# KiCad board hologram v3.kicad_pcb (continued)
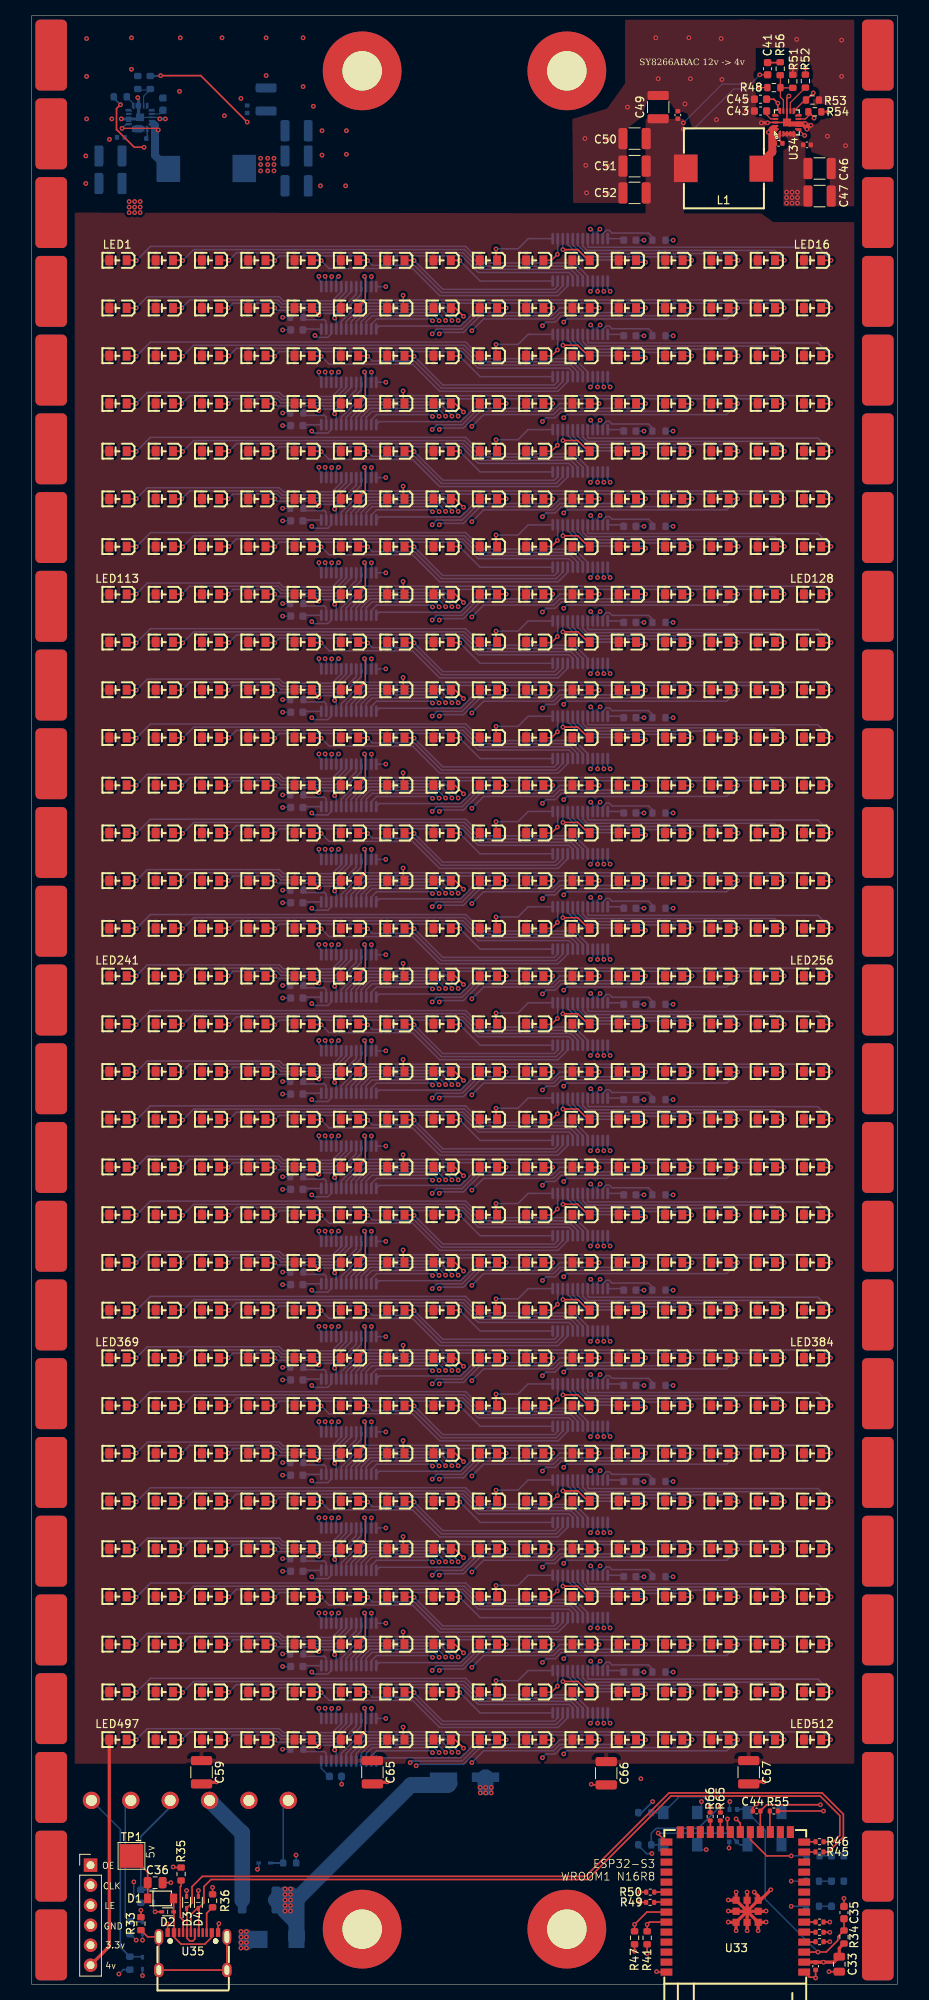
[diagram p0: board, top side]
## Nets (continued)
Net-(U22-R-EXT): R22.2 U22.23
Net-(U22-VDD): C22.2 U22.24
Net-(U23-R-EXT): R23.2 U23.23
Net-(U23-VDD): C23.2 U23.24
Net-(U24-R-EXT): R24.2 U24.23
Net-(U24-VDD): C24.2 U24.24
Net-(U25-R-EXT): R25.2 U25.23
Net-(U25-VDD): C25.2 U25.24
Net-(U26-R-EXT): R26.2 U26.23
Net-(U26-VDD): C26.2 U26.24
Net-(U27-R-EXT): R27.2 U27.23
Net-(U27-VDD): C27.2 U27.24
Net-(U28-R-EXT): R28.2 U28.23
Net-(U28-VDD): C28.2 U28.24
Net-(U29-R-EXT): R29.2 U29.23
Net-(U29-VDD): C29.2 U29.24
Net-(U30-R-EXT): R30.2 U30.23
Net-(U30-VDD): C30.2 U30.24
Net-(U31-R-EXT): R31.2 U31.23
Net-(U31-VDD): C31.2 U31.24
Net-(U32-R-EXT): R32.2 U32.23
Net-(U32-VDD): C32.2 U32.24
Net-(U33-IO4): R42.1 U33.4
Net-(U33-IO5): R43.1 U33.5
Net-(U33-IO6): R44.1 U33.6
Net-(U33-IO9): R55.1 U33.17
Net-(U33-IO11): R57.1 U33.19
Net-(U33-IO12): R59.1 U33.20
Net-(U33-IO13): R60.1 U33.21
Net-(U33-IO14): R65.2 U33.22
Net-(U33-IO19): R45.1 U33.13
Net-(U33-IO20): R46.1 U33.14
Net-(U33-IO21): R66.1 U33.23
Net-(U33-IO39): R50.2 U33.32
Net-(U33-IO40): R49.2 U33.33
Net-(U34-BS): C40.1 U34.1
Net-(U34-FB): R48.2 R51.1 R56.2 U34.14
Net-(U34-MODE): R52.2 U34.12
Net-(U34-VCC): C43.1 U34.17
Net-(U35-CC1_A5): R35.1 U35.4
Net-(U35-CC2_B5): R36.1 U35.10
Net-(U36-BS): C56.1 U36.1
Net-(U36-EN): R58.2 U36.11
Net-(U36-FB): R61.2 R62.1 U36.14
Net-(U36-VCC): C57.1 U36.17

Pads without a net: H1 1; H2 1; H3 1; H4 1; REF** 1; REF**#2 1; REF**#3 1; REF**#4 1; U32 22; U33 7 8 9 10 11 12 15 16 24 25 26 28 29 30 31 36 37 38 39; U34 10 16; U35 3 9; U36 9 10 15 16

## Via types
v1: diameter 0.6, hole 0.3, Top to Bottom, 1153 vias

## Routing (per net, layer and track width the routed paths; a pad name or vN(x,y) marks a point on that pad's centre or on a via; arc(x,y) is an arc through that point)
+12V: length 383.2
  Top w0.2: v1(14.3,233.3) 13.05,233.3 10.8,235.55 10.8,238.2 v1(11.3,238.7)
  Top w0.4: 95.63,235 U34.3 96.84,235 U34.5
  In1.Cu w2: v1(32.9,12.1) v1(32.9,10.7) v1(32.2,10) ; v1(96.6,226.9) 95.4,225.7 10.5,225.7 7.3,222.5 7.3,31.9 11,28.2 28.1,28.2 30.2,26.1 35.2,26.1 36.8,24.5 36.8,15.3 v1(32.2,10.7)
  Bottom w0.2: R58.1 10.45,239.55 v1(11.3,238.7)
  Bottom w1: U36.4 U36.3
  Bottom w2: F1.1 31.5,10.7 ; 31.5,10.7 v1(32.2,10) ; 31.5,10.7 v1(32.2,11.4) v1(32.9,10.7) 33.6,10.7 48.2,25.3 52.9,25.3 53.1,25.5 ; v1(32.9,11.4) 33.66,10.64 D9.2 33.66,7.84 v1(32.2,9.3)
  vias: v1(12.4,226.4) v1(12.4,225.7) v1(12.4,225) v1(13.1,226.4) v1(13.1,225.7) v1(13.1,225) v1(13.8,226.4) v1(13.8,225.7) v1(13.8,225) v1(32.2,12.1) v1(32.9,10) v1(32.9,9.3) v1(95.9,227.6) v1(95.9,226.9) v1(95.9,226.2) v1(96.6,227.6) v1(96.6,226.2) v1(97.3,227.6) v1(97.3,226.9) v1(97.3,226.2)
GND: length 169.9
  Top w0.2: v1(79.4,1.6) 79.45,1.55 U33.40 ; v1(23.8,7.7) 23.7,7.6 U35.12 ; R47.1 v1(76.6,4.2) ; v1(15.7,9.2) D2.1 ; D4.1 v1(21.2,11.9) ; C36.2 v1(17.7,12.9) 17.8,12.9 ; v1(17.2,7.7) 17.2,7.6 17.3,7.5 U35.1 ; 92,237.9 C43.2 ; C44.2 91.62,22.42 v1(92.1,22.9) ; R36.2 v1(23,12.3) ; R51.2 v1(96.7,243.4) ; v1(96.2,239.8) 95.95,239.55 U34.13 U34.21 U34.18 93.55,236.45 v1(93.5,236.4) ; U33.1 98.8,0.9 99.5,0.9 v1(99.6,0.8) C34.2 ; 73,25.32 71.17,25.32 v1(71.1,25.4) ; C33.2 v1(101.3,1.6) ; v1(18,14.9) 18.07,14.82 R35.2 ; R33.2 v1(13.9,9.4) ; C35.2 v1(103.2,10.9) ; D3.1 v1(19.7,11.9)
  Top w0.4: U33.41 89.5,10.7 ; U33.41 88.53,10.67 v1(88.5,10.7) ; U33.41 U33.41 ; U33.41 v1(89.5,11.7) ; v1(88.5,9.3) 88.53,9.27 U33.41 U33.41 ; v1(93.3,9.3) 93.27,9.27 U33.41 U33.41 ; U33.41 v1(89.5,6.8) ; U33.41 88.53,7.87 v1(88.5,7.9) ; U33.41 U33.41 ; U33.41 93.27,7.87 v1(93.3,7.9) ; U33.41 U33.41 ; U33.41 v1(92.3,6.8) ; v1(23.5,25.7) 23.45,25.65 21.6,25.65 ; v1(98.5,235.6) 97.96,236.14 97.4,236.14 ; v1(98.5,235.6) v1(99,236.1) 98.5,236.1 v1(98.3,236.3) ; v1(98.5,235.6) 98.3,235.8 v1(98.3,236.3) ; U33.41 U33.41 v1(90.9,11.7) ; U33.41 U33.41 v1(90.9,6.8) ; U33.41 U33.41 ; v1(98.3,236.3) 98,236.3 97.84,236.14 96.26,236.14 U34.21 96.03,236.37 98.15,236.37 98.22,236.3 v1(98.3,236.3) ; 91.1,25.72 92.97,25.72 v1(93,25.7) ; 43.3,25.65 45.15,25.65 v1(45.2,25.7) ; v1(93.9,12) 92.57,10.67 U33.41 ; v1(91.8,11.7) 92.3,11.2 U33.41 ; v1(92.7,236.4) v1(93.5,236.4)
  Bottom w0.15: v1(11.4,236.9) 11.6,237.1 ; U36.21 U36.18 16.1,237.1 v1(16.3,236.9)
  Bottom w0.2: R26.1 v1(31.9,66.25) ; v1(36.5,156.25) 36.5,155.85 36.81,155.54 U12.1 ; U30.1 36.81,46.44 36.5,46.75 v1(36.5,47.15) ; D8.1 28.85,14.75 v1(28.7,14.6) ; R10.1 v1(31.9,163.15) ; v1(73.5,202.85) 73.5,202.9 73.19,203.21 U3.1 ; U20.1 36.81,107.04 36.5,107.35 v1(36.5,107.75) ; R25.1 v1(81.5,76.05) ; U21.1 73.19,94.11 73.5,93.8 v1(73.5,93.75) ; U19.1 73.19,106.21 73.5,105.9 v1(73.5,105.85) ; v1(88.7,23.2) 88.66,23.16 C38.2 ; v1(73.5,117.95) 73.5,118 73.19,118.31 U17.1 ; v1(73.5,130.15) 73.5,130.2 73.19,130.51 U15.1 ; U11.1 73.19,154.71 73.5,154.4 v1(73.5,154.35) ; U22.1 36.81,94.94 36.5,95.25 v1(36.5,95.65) ; R1.1 v1(81.5,221.5) ; U6.1 36.81,191.94 36.5,192.25 v1(36.5,192.65) ; U10.1 36.81,167.64 36.5,167.95 v1(36.5,168.35) ; U31.1 73.19,33.51 73.5,33.2 v1(73.5,33.15) ; v1(36.5,216.9) 36.5,216.5 36.81,216.19 U2.1 ; U16.1 36.81,131.34 36.5,131.65 v1(36.5,132.05) ; v1(73.5,142.25) 73.5,142.3 73.19,142.61 U13.1 ; R9.1 v1(81.5,172.95) ; U32.1 36.81,34.34 36.5,34.65 v1(36.5,35.05) ; D7.1 15.5,9.4 v1(15.7,9.2) ; v1(73.5,166.45) 73.5,166.5 73.19,166.81 U9.1 ; R23.1 v1(81.5,88.15) ; R12.1 v1(31.9,151.05) ; U4.1 36.81,204.04 36.5,204.35 v1(36.5,204.75) ; R29.1 v1(81.5,51.75) ; U26.1 36.81,70.74 36.5,71.05 v1(36.5,71.45) ; R32.1 v1(31.9,29.85) ; U7.1 73.19,179.01 73.5,178.7 v1(73.5,178.65) ; v1(73.5,190.75) 73.5,190.8 73.19,191.11 U5.1 ; R15.1 v1(81.5,136.65) ; D12.1 103.19,10.89 v1(103.2,10.9) ; R16.1 v1(31.9,126.85) ; v1(88.6,17.3) 88.62,17.32 C39.2 ; v1(73.5,215) 73.5,215.05 73.19,215.36 U1.1 ; R8.1 v1(31.9,175.35) ; v1(36.5,144.15) 36.5,143.75 36.81,143.44 U14.1 ; R3.1 v1(81.5,209.35) ; v1(85.1,23.2) 85.1,22.34 SW3.2 ; R4.1 v1(31.9,199.55) ; v1(36.5,119.85) 36.5,119.45 36.81,119.14 U18.1 ; 33.5,15.4 R40.1 33.62,16.38 v1(33.6,16.4) ; U27.1 73.19,57.71 73.5,57.4 v1(73.5,57.35) ; R5.1 v1(81.5,197.25) ; v1(73.5,81.65) 73.5,81.7 73.19,82.01 U23.1 ; R20.1 v1(31.9,102.55) ; R17.1 v1(81.5,124.45) ; R22.1 v1(31.9,90.45) ; R31.1 v1(81.5,39.65) ; R28.1 v1(31.9,54.05) ; R27.1 v1(81.5,63.85) ; v1(73.5,69.55) 73.5,69.6 73.19,69.91 U25.1 ; SW4.2 85.2,17.06 85.66,17.06 v1(85.7,17.1) ; R21.1 v1(81.5,100.25) ; R14.1 v1(31.9,138.95) ; U24.1 36.81,82.84 36.5,83.15 v1(36.5,83.55) ; v1(36.5,180.55) 36.5,180.15 36.81,179.84 U8.1 ; R13.1 v1(81.5,148.75) ; R24.1 v1(31.9,78.35) ; U29.1 73.19,45.61 73.5,45.3 v1(73.5,45.25) ; R30.1 v1(31.9,41.95) ; R2.1 v1(31.9,211.7) ; R6.1 v1(31.9,187.45) ; v1(36.5,59.25) 36.5,58.85 36.81,58.54 U28.1 ; R19.1 v1(81.5,112.35) ; R7.1 v1(81.5,185.15) ; R11.1 v1(81.5,160.85) ; R18.1 v1(31.9,114.65) ; D5.1 v1(14.1,1.1) ; D6.1 v1(14.1,5.6)
  Bottom w0.4: v1(13.5,239.6) 13.6,239.5 13.6,237.3 U36.21 13.6,236.9 v1(11.4,236.9) ; v1(17,236.9) v1(16.3,236.9)
  Bottom w2: C48.2 57.67,25.03 v1(57.7,25) ; v1(27.3,6) 27.6,5.7 D9.1 27.7,5.7 v1(27.3,5.3)
  vias: v1(6.9,232.2) v1(6.9,228.7) v1(7,247.1) v1(7,242.3) v1(7,236.9) v1(9.9,234.3) v1(10.2,236.9) v1(12.7,247.2) v1(12.7,243.2) v1(18.8,240.4) v1(18.9,247.2) v1(24.2,247.2) v1(24.5,237.3) v1(26.6,239.5) v1(26.6,6.7) v1(26.6,6) v1(26.6,5.3) v1(26.6,4.6) v1(27.3,6.7) v1(27.3,4.6) v1(29.8,247.2) v1(29.8,242.4) v1(34.5,247.2) v1(34.5,241) v1(35.8,238.5) v1(36.7,228.4) v1(36.9,235.4) v1(36.9,232.3) v1(39.9,228.4) v1(40,235.4) v1(40,232.4) v1(57,25) v1(57,24.3) v1(57.7,24.3) v1(58.4,25) v1(58.4,24.3) v1(70.3,234.4) v1(70.4,231) v1(70.5,227.5) v1(73.2,234.3) v1(73.2,230.9) v1(73.2,227.4) v1(75.7,238.4) v1(79.3,247.2) v1(79.6,242) v1(83,238.8) v1(83.5,247.2) v1(83.7,242) v1(87,236.8) v1(87.6,247.1) v1(87.7,241.9) v1(90.8,239.4) v1(90.8,237.9) v1(97.2,247) v1(101.1,234.7) v1(101.22,239.3) v1(102.9,246.9) v1(102.9,242.3) v1(102.9,227.1) v1(103.1,230.6) v1(103.4,233.5)
VCC: length 55.7
  Top w0.15: R48.1 92.62,240.88 92.6,240.9 v1(92.5,240.9) ; C41.1 v1(92.5,242.5)
  Top w0.4: J1.6 9.88,4.8 LED497.2
  Bottom w0.15: v1(92.5,242.5) 91.32,241.32 87.72,241.32 v1(82.8,236.4) ; v1(92.5,240.9) 92.3,240.7 89.2,240.7 84.1,235.6 v1(82.8,235.6)
VDD: length 70.3
  Top w0.15: R54.1 v1(101.2,237.8) ; R52.1 v1(98.3,243.4)
  Top w0.2: U34.15 94.8,238.16 v1(94.8,238.9) 94.3,239.4 C45.1 ; v1(27.4,236.5) 21.5,242.4 v1(16.4,242.4) ; R41.1 v1(78.2,3.9)
  Top w0.4: U33.2 99.56,2.82 C34.1 99.62,2.8 v1(100.6,2.8) 101.9,2.8 C33.1 102.6,4.57 R34.1
  Bottom w0.2: v1(11.1,1.3) 11.65,1.85 R39.2 ; v1(78.8,16.6) 78.1,16.6 77.08,17.62 R64.1 ; v1(77.8,88.15) C23.1 ; C22.1 v1(31.9,88.85) ; v1(77.8,197.25) C5.1 ; R38.2 12.55,6.35 v1(13.3,5.6) ; v1(77.8,160.85) C11.1 ; C14.1 v1(31.9,137.35) ; v1(77.8,185.15) C7.1 ; v1(77.8,124.45) C17.1 ; v1(77.8,39.65) C31.1 ; C30.1 v1(31.9,40.35) ; C26.1 v1(31.9,64.65) ; v1(77.8,136.65) C15.1 ; v1(77.8,100.25) C21.1 ; C18.1 v1(31.9,113.05) ; C6.1 v1(31.9,185.85) ; C16.1 v1(31.9,125.25) ; C28.1 v1(31.9,52.45) ; v1(77.8,51.75) C29.1 ; v1(77.8,76.05) C25.1 ; C12.1 v1(31.9,149.45) ; C24.1 v1(31.9,76.75) ; C2.1 v1(31.9,210.1) ; v1(77.8,221.5) C1.1 ; v1(77.8,209.35) C3.1 ; v1(77.8,63.85) C27.1 ; v1(78.9,23.2) 77.5,21.8 R63.2 ; v1(16.4,242.4) 16.35,242.35 R61.1 ; C32.1 39.38,25.43 v1(39.4,25.4) ; v1(77.8,112.35) C19.1 ; v1(77.8,172.95) C9.1 ; R37.2 13,11.25 v1(13,13) ; C4.1 v1(31.9,197.95) ; C20.1 v1(31.9,100.95) ; C8.1 v1(31.9,173.75) ; v1(77.8,148.75) C13.1 ; C10.1 v1(31.9,161.55)
  vias: v1(29.1,231.9) v1(29.1,231.1) v1(29.1,230.3) v1(30,231.9) v1(30,231.1) v1(30,230.3) v1(30.8,231.9) v1(30.8,231.1) v1(30.8,230.3)
buck4v_EN: length 233.2
  Top w0.15: U34.11 98.24,239.3 R53.1
  Top w0.2: v1(99.3,240.2) 99.28,240.2 R53.1 ; R55.2 v1(100.6,22)
  In1.Cu w0.2: v1(99.3,240.2) 99.7,240.6 102.4,240.6 104.1,238.9 104.1,25.5 v1(100.6,22)
buck4v_PG: length 231.4
  Top w0.15: 98.78,237.8 98.78,237.38 98.29,236.89 97.4,236.89
  Top w0.2: R54.2 99.4,237.07 v1(99.4,237) ; 92.6,19.35 U33.18 C44.1 93.38,22.8 v1(100.2,22.8)
  In1.Cu w0.2: v1(100.2,22.8) 103.7,26.3 103.7,232.1 102.3,233.5 102.3,234.5 99.8,237 v1(99.4,237)
CLK: length 566.4
  Top w0.2: R49.1 v1(77.3,10.4)
  In1.Cu w0.2: v1(71.9,33.15) 71.9,33.1 72.15,32.85 ; 72.15,32.85 76.7,28.3 76.7,11 v1(77.3,10.4) ; 72.15,32.85 70.43,34.58 70.43,43.78 v1(71.9,45.25) 70.43,46.73 70.43,55.88 v1(71.9,57.35) 70.1,59.15 70.1,67.75 v1(71.9,69.55) 70.43,71.03 70.43,80.18 v1(71.9,81.65) 70.43,83.13 70.43,92.28 v1(71.9,93.75) 70,95.65 70,103.95 v1(71.9,105.85) 70.2,107.55 70.2,116.25 v1(71.9,117.95) 70.2,119.65 70.2,128.45 v1(71.9,130.15) 71.9,130.9 70.2,132.6 70.2,140.55 v1(71.9,142.25) 70.1,144.05 70.1,152.55 v1(71.9,154.35) 70.2,156.05 70.2,164.75 v1(71.9,166.45) 70.3,168.05 70.3,177.05 v1(71.9,178.65) 70.2,180.35 70.2,189.05 v1(71.9,190.75) 70.3,192.35 70.3,201.25 v1(71.9,202.85) 70.2,204.55 70.2,213.3 v1(71.9,215) 67.8,219.1 55.05,219.1 54.65,219.5 40.75,219.5 v1(38.12,216.88) 39.6,215.4 39.6,206.2 v1(38.12,204.73) 39.4,203.45 39.4,193.9 v1(38.12,192.63) 39.6,191.15 39.6,182 v1(38.12,180.53) 39.5,179.15 39.5,169.7 v1(38.12,168.33) 39.5,166.95 39.5,157.6 v1(38.12,156.23) 39.4,154.95 39.4,145.4 v1(38.12,144.13) 39.5,142.75 39.5,133.4 v1(38.12,132.03) 39.5,130.65 39.5,121.2 v1(38.12,119.83) 39.5,118.45 39.5,109.1 v1(38.12,107.73) 39.5,106.35 39.5,97 v1(38.12,95.63) 39.5,94.25 39.5,84.9 v1(38.12,83.53) 39.5,82.15 39.5,72.8 v1(38.12,71.43) 39.5,70.05 39.5,60.6 v1(38.12,59.23) 39.5,57.85 39.5,48.5 v1(38.12,47.13) 39.5,45.75 39.5,36.4 v1(38.12,35.03) 40.9,32.25 40.9,13.97 34.63,7.7 30.3,7.7 27.1,10.9 9.18,10.9 J1.2
  Bottom w0.2: U10.3 38.08,168.28 v1(38.12,168.33) ; v1(71.9,81.65) 71.92,81.67 U23.3 ; U26.3 38.08,71.38 v1(38.12,71.43) ; v1(38.12,47.13) 38.08,47.08 U30.3 ; v1(71.9,178.65) 71.92,178.67 U7.3 ; v1(38.12,132.03) 38.08,131.98 U16.3 ; v1(38.12,204.73) 38.08,204.68 U4.3 ; U6.3 38.08,192.58 v1(38.12,192.63) ; U25.3 71.92,69.57 v1(71.9,69.55) ; v1(71.9,117.95) 71.92,117.97 U17.3 ; U13.3 71.92,142.27 v1(71.9,142.25) ; U22.3 38.08,95.58 v1(38.12,95.63) ; U19.3 71.92,105.87 v1(71.9,105.85) ; v1(38.12,59.23) 38.08,59.18 U28.3 ; U2.3 38.08,216.83 v1(38.12,216.88) ; U9.3 71.92,166.47 v1(71.9,166.45) ; U18.3 38.08,119.78 v1(38.12,119.83) ; v1(38.12,180.53) 38.08,180.48 U8.3 ; U31.3 71.92,33.17 v1(71.9,33.15) ; U1.3 71.92,215.02 v1(71.9,215) ; U12.3 38.08,156.18 v1(38.12,156.23) ; v1(38.12,35.03) 38.08,34.98 U32.3 ; v1(38.12,107.73) 38.08,107.68 U20.3 ; v1(71.9,45.25) 71.92,45.27 U29.3 ; U15.3 71.92,130.17 v1(71.9,130.15) ; U3.3 71.92,202.87 v1(71.9,202.85) ; U24.3 38.08,83.48 v1(38.12,83.53) ; v1(38.12,144.13) 38.08,144.08 U14.3 ; v1(71.9,190.75) 71.92,190.77 U5.3 ; v1(71.9,93.75) 71.92,93.77 U21.3 ; v1(71.9,154.35) 71.92,154.37 U11.3 ; U27.3 71.92,57.37 v1(71.9,57.35)
ENC_A: length 126.4
  Top w0.2: R42.2 v1(101.4,5.4)
  In4.Cu w0.2: v1(101.4,5.4) 99.65,5.4 95.75,9.3 88.6,16.45 85.45,19.6 80.85,19.6 79.85,18.6 79.35,18.6 78.35,19.6 15.02,19.6 15.02,19.6 11.37,19.6 J2.6
  Bottom w0.2: D5.2 14.03,3.5 R39.1 11.3,4.7 11.3,19.66 J2.6 ; 7.67,22.56 7.65,22.53
ENC_B: length 114
  Top w0.2: R43.2 v1(101.4,6.6)
  In4.Cu w0.2: J2.5 15.97,20 88,20 v1(101.4,6.6)
  Bottom w0.2: J2.5 11.9,22.63 11.9,8.6 R38.1 12.57,7.93 D6.2
ENC_Z: length 104.7
  Top w0.2: R44.2 v1(101.4,7.9)
  In4.Cu w0.2: v1(101.4,7.9) 100.8,7.9 88.3,20.4 20.57,20.4 J2.4
  Bottom w0.2: D7.2 15.43,12 R37.1 13.9,18.78 17.65,22.53
LE: length 570.5
  Top w0.2: R47.2 v1(76.6,7.6) 78.17,9.17 U33.34
  In1.Cu w0.2: J1.3 7.86,10.4 27,10.4 30.1,7.3 34.8,7.3 41.3,13.8 41.3,32.75 v1(39,35.05) 40.3,36.35 40.3,45.85 v1(39,47.15) 40.3,48.45 40.3,57.95 v1(39,59.25) 40.3,60.55 40.3,70.15 v1(39,71.45) 40.3,72.75 40.3,82.25 v1(39,83.55) 40.3,84.85 40.3,94.35 v1(39,95.65) 40.3,96.95 40.3,106.45 v1(39,107.75) 40.3,109.05 40.3,118.55 v1(39,119.85) 40.3,121.15 40.3,130.75 v1(39,132.05) 40.3,133.35 40.3,142.85 v1(39,144.15) 40.3,145.45 40.3,154.95 v1(39,156.25) 40.3,157.55 40.3,167.05 v1(39,168.35) 40.3,169.65 40.3,179.25 v1(39,180.55) 40.3,181.85 40.3,191.35 v1(39,192.65) 40.1,193.75 40.1,203.65 v1(39,204.75) 40.6,206.35 40.6,215.3 v1(39,216.9) 39.6,217.5 68.5,217.5 v1(71,215) 69.6,213.6 69.6,204.25 v1(71,202.85) 69.6,201.45 69.6,192.15 v1(71,190.75) 69.6,189.35 69.6,180.05 v1(71,178.65) 69.6,177.25 69.6,167.85 v1(71,166.45) 69.6,165.05 69.6,155.75 v1(71,154.35) 69.5,152.85 69.5,143.75 v1(71,142.25) 69.5,140.75 69.5,131.65 v1(71,130.15) 69.5,128.65 69.5,119.45 v1(71,117.95) 69.5,116.45 69.5,107.35 v1(71,105.85) 69.4,104.25 69.4,95.35 v1(71,93.75) 69.5,92.25 69.5,83.15 v1(71,81.65) 69.7,80.35 69.7,70.85 v1(71,69.55) 69.5,68.05 69.5,58.85 v1(71,57.35) 69.5,55.85 69.5,46.75 v1(71,45.25) 71,45.2 69.7,43.9 69.7,34.5 71,33.2 v1(71,33.15) 75.9,28.25 75.9,8.3 v1(76.6,7.6)
  Bottom w0.2: U19.4 71.29,106.14 v1(71,105.85) ; v1(71,190.75) 71.29,191.04 U5.4 ; U18.4 38.71,119.56 v1(39,119.85) ; U32.4 38.71,34.76 v1(39,35.05) ; U9.4 71.29,166.74 v1(71,166.45) ; U13.4 71.29,142.54 v1(71,142.25) ; U7.4 71.29,178.94 v1(71,178.65) ; v1(39,168.35) 38.71,168.06 U10.4 ; U23.4 71.29,81.94 v1(71,81.65) ; U14.4 38.71,143.86 v1(39,144.15) ; U25.4 71.29,69.84 v1(71,69.55) ; v1(71,130.15) 71.29,130.44 U15.4 ; U30.4 38.71,46.86 v1(39,47.15) ; U12.4 38.71,155.96 v1(39,156.25) ; v1(71,215) 71.29,215.29 U1.4 ; v1(39,83.55) 38.71,83.26 U24.4 ; U8.4 38.71,180.26 v1(39,180.55) ; U31.4 71.29,33.44 v1(71,33.15) ; U3.4 71.29,203.14 v1(71,202.85) ; v1(71,45.25) 71.29,45.54 U29.4 ; v1(39,59.25) 38.71,58.96 U28.4 ; U6.4 38.71,192.36 v1(39,192.65) ; U21.4 71.29,94.04 v1(71,93.75) ; U11.4 71.29,154.64 v1(71,154.35) ; U26.4 38.71,71.16 v1(39,71.45) ; v1(39,216.9) 38.71,216.61 U2.4 ; v1(39,95.65) 38.71,95.36 U22.4 ; v1(71,57.35) 71.29,57.64 U27.4 ; U20.4 38.71,107.46 v1(39,107.75) ; U17.4 71.29,118.24 v1(71,117.95) ; v1(39,132.05) 38.71,131.76 U16.4 ; U4.4 38.71,204.46 v1(39,204.75)
MOSI: length 210.4
  Top w0.2: R50.1 v1(77.3,11.7)
  In1.Cu w0.2: v1(77.4,26.1) 77.3,26 v1(77.3,11.7)
  In4.Cu w0.2: v1(77.4,26.1) 80.1,28.8 80.1,208.7 74.4,214.4 73.25,214.4 72.65,215 v1(72.7,215)
  Bottom w0.2: v1(72.7,215) 72.56,215.14 U1.2
NOT_OE: length 620
  Top w0.2: U33.35 78.5,7.9 v1(78.2,7.6) R41.2
  In1.Cu w0.2: v1(78.2,7.6) 78.2,29.3 71.03,36.48 v1(71.03,41.03) 74.1,44.11 74.1,50.06 v1(71.03,53.13) 74.1,56.21 74.1,62.16 v1(71.03,65.23) 74.1,68.31 74.1,74.36 v1(71.03,77.43) 74.1,80.51 74.1,86.46 v1(71.03,89.53) 74.1,92.61 74.1,98.56 v1(71.03,101.63) 74.1,104.71 74.1,110.66 v1(71.03,113.73) 74.1,116.81 74.1,122.76 v1(71.03,125.83) 74.1,128.91 74.1,134.96 v1(71.03,138.03) 74.1,141.11 74.1,147.06 v1(71.03,150.13) 75.2,154.3 75.2,158.06 v1(71.03,162.23) 74.1,165.31 74.1,171.26 v1(71.03,174.33) 74.1,177.41 74.1,183.46 v1(71.03,186.53) 74.1,189.61 74.1,195.56 v1(71.03,198.63) 74.1,201.71 74.1,207.66 v1(71.03,210.73) 74.1,213.81 74.1,219.79 v1(71,222.9) 41.65,222.9 35.9,217.15 35.9,214.2 v1(38.5,211.6) 38.5,211.05 35.9,208.45 35.9,202.05 v1(38.5,199.45) 38.5,199.3 35.9,196.7 35.9,189.95 v1(38.5,187.35) 38.5,187.2 35.9,184.6 35.9,177.85 v1(38.5,175.25) 38.5,175.1 35.9,172.5 35.9,165.65 v1(38.5,163.05) 38.5,162.9 35.9,160.3 35.9,153.55 v1(38.5,150.95) 38.5,150.8 34.9,147.2 34.9,142.45 v1(38.5,138.85) 38.5,138.7 35.85,136.05 35.85,129.4 v1(38.5,126.75) 38.5,126.6 35.85,123.95 35.85,117.2 v1(38.5,114.55) 38.5,114.4 35.2,111.1 35.2,105.75 v1(38.5,102.45) 38.5,102.3 35.9,99.7 35.9,92.95 v1(38.5,90.35) 38.5,90.2 35.9,87.6 35.9,80.85 v1(38.5,78.25) 38.5,78.1 35.9,75.5 35.9,68.75 v1(38.5,66.15) 38.5,66 35.9,63.4 35.9,56.55 v1(38.5,53.95) 38.5,53.8 35.9,51.2 35.9,44.45 v1(38.5,41.85) 38.5,41.7 35.9,39.1 35.9,32.35 v1(38.5,29.75) 40.5,27.75 40.5,14.13 34.47,8.1 30.47,8.1 27.27,11.3 11.32,11.3 J1.1
  Bottom w0.2: U20.21 38.71,102.24 v1(38.5,102.45) ; U7.21 71.29,186.27 v1(71.03,186.53) ; v1(71.03,198.63) 71.29,198.37 U5.21 ; U21.21 71.29,101.37 v1(71.03,101.63) ; U14.21 38.71,138.64 v1(38.5,138.85) ; v1(38.5,187.35) 38.71,187.14 U6.21 ; v1(38.5,199.45) 38.71,199.24 U4.21 ; U32.21 38.71,29.54 v1(38.5,29.75) ; v1(71.03,77.43) 71.29,77.17 U25.21 ; U10.21 38.71,162.84 v1(38.5,163.05) ; v1(38.5,211.6) 38.71,211.39 U2.21 ; U13.21 71.29,149.87 v1(71.03,150.13) ; U12.21 38.71,150.74 v1(38.5,150.95) ; v1(71.03,41.03) 71.29,40.77 U31.21 ; v1(38.5,78.25) 38.71,78.04 U24.21 ; v1(38.5,175.25) 38.71,175.04 U8.21 ; v1(71.03,210.73) 71.29,210.47 U3.21 ; U11.21 71.29,161.97 v1(71.03,162.23) ; U19.21 71.29,113.47 v1(71.03,113.73) ; v1(71,222.9) 71.2,222.9 71.29,222.81 U1.21 ; U28.21 38.71,53.74 v1(38.5,53.95) ; v1(71.03,174.33) 71.29,174.07 U9.21 ; v1(38.5,90.35) 38.71,90.14 U22.21 ; U17.21 71.29,125.57 v1(71.03,125.83) ; U29.21 71.29,52.87 v1(71.03,53.13) ; v1(38.5,66.15) 38.71,65.94 U26.21 ; U18.21 38.71,114.34 v1(38.5,114.55) ; v1(38.5,126.75) 38.71,126.54 U16.21 ; v1(71.03,65.23) 71.29,64.97 U27.21 ; v1(71.03,89.53) 71.29,89.27 U23.21 ; U30.21 38.71,41.64 v1(38.5,41.85) ; v1(71.03,138.03) 71.29,137.77 U15.21
SDO-01: length 40.1
  In4.Cu w0.2: v1(37.3,216.9) 37.9,217.5 66.8,217.5 v1(72.2,222.9)
  Bottom w0.2: U2.2 37.44,216.76 v1(37.3,216.9) ; U1.22 71.9,221.71 71.9,222.6 v1(72.2,222.9)
SDO-02: length 50.6
  In4.Cu w0.2: v1(36,209.4) 36.4,209 68.44,209 70.78,211.33 72.48,211.33 72.83,210.98 72.83,202.98 v1(72.7,202.85)
  Bottom w0.2: v1(36,209.4) 36.24,209.16 37.64,209.16 38.08,209.6 U2.22 ; U3.2 72.56,202.99 v1(72.7,202.85)
SDO-03: length 40.2
  In4.Cu w0.2: v1(72.23,210.73) 72.16,210.8 72.16,210.66 66.85,205.35 37.9,205.35 v1(37.3,204.75)
  Bottom w0.2: U4.2 37.44,204.61 v1(37.3,204.75) ; U3.22 71.9,209.56 71.9,210.4 v1(72.23,210.73)
SDO-04: length 52.6
  In4.Cu w0.2: v1(72.7,190.75) 72.9,190.95 72.9,198.81 72.48,199.23 69.53,199.23 65.85,195.55 37.3,195.55 v1(35.6,197.25)
  Bottom w0.2: U5.2 72.56,190.89 v1(72.7,190.75) ; U4.22 38.08,197.45 37.64,197.01 35.84,197.01 v1(35.6,197.25)
SDO-05: length 40.2
  In4.Cu w0.2: v1(37.3,192.65) 37.9,193.25 66.85,193.25 72.16,198.56 72.16,198.7 v1(72.23,198.63)
  Bottom w0.2: U6.2 37.44,192.51 v1(37.3,192.65) ; v1(72.23,198.63) 71.9,198.3 71.9,197.46 U5.22
SDO-06: length 51.4
  In4.Cu w0.2: v1(35.6,185.15) 36,184.75 68.4,184.75 70.78,187.13 72.48,187.13 72.83,186.78 72.83,178.78 v1(72.7,178.65)
  Bottom w0.2: U6.22 38.08,185.35 37.64,184.91 35.84,184.91 v1(35.6,185.15) ; U7.2 72.56,178.79 v1(72.7,178.65)
SDO-07: length 40.2
  In4.Cu w0.2: v1(37.3,180.55) 37.9,181.15 66.85,181.15 72.16,186.46 72.16,186.6 v1(72.23,186.53)
  Bottom w0.2: U7.22 71.9,185.36 71.9,186.2 v1(72.23,186.53) ; v1(37.3,180.55) 37.44,180.41 U8.2
SDO-08: length 51.4
  In4.Cu w0.2: v1(35.6,173.05) 36,172.65 68.5,172.65 70.78,174.93 72.48,174.93 72.83,174.58 72.83,166.58 v1(72.7,166.45)
  Bottom w0.2: U9.2 72.56,166.59 v1(72.7,166.45) ; U8.22 38.08,173.25 37.64,172.81 35.84,172.81 v1(35.6,173.05)
SDO-09: length 40.2
  In4.Cu w0.2: v1(37.3,168.35) 37.9,168.95 66.85,168.95 72.16,174.26 72.16,174.4 v1(72.23,174.33)
  Bottom w0.2: v1(72.23,174.33) 71.9,174 71.9,173.16 U9.22 ; U10.2 37.44,168.21 v1(37.3,168.35)
SDO-10: length 51.5
  In4.Cu w0.2: v1(35.6,160.85) 36.05,160.4 68.35,160.4 70.78,162.83 72.48,162.83 72.83,162.48 72.83,154.48 v1(72.7,154.35)
  Bottom w0.2: U10.22 38.08,161.05 37.64,160.61 35.84,160.61 v1(35.6,160.85) ; U11.2 72.56,154.49 v1(72.7,154.35)
SDO-11: length 40.2
  In4.Cu w0.2: v1(37.3,156.25) 37.9,156.85 66.85,156.85 72.16,162.16 72.16,162.3 v1(72.23,162.23)
  Bottom w0.2: v1(72.23,162.23) 71.9,161.9 71.9,161.06 U11.22 ; U12.2 37.44,156.11 v1(37.3,156.25)
SDO-12: length 52.5
  In4.Cu w0.2: v1(35.6,148.75) 37.3,147.05 66.05,147.05 69.73,150.73 72.48,150.73 72.83,150.38 72.83,142.38 v1(72.7,142.25)
  Bottom w0.2: U12.22 38.08,148.95 37.64,148.51 35.84,148.51 v1(35.6,148.75) ; v1(72.7,142.25) 72.56,142.39 U13.2
SDO-13: length 40.2
  In4.Cu w0.2: v1(72.23,150.13) 72.16,150.2 72.16,150.06 66.85,144.75 37.9,144.75 v1(37.3,144.15)
  Bottom w0.2: v1(37.3,144.15) 37.44,144.01 U14.2 ; v1(72.23,150.13) 71.9,149.8 71.9,148.96 U13.22
SDO-14: length 52.8
  In4.Cu w0.2: v1(72.7,130.15) 72.83,130.28 72.83,138.28 72.48,138.63 69.73,138.63 65.75,134.65 37.6,134.65 v1(35.6,136.65)
  Bottom w0.2: v1(72.7,130.15) 72.56,130.29 U15.2 ; v1(35.6,136.65) 35.84,136.41 37.64,136.41 38.08,136.85 U14.22
SDO-15: length 40.2
  In4.Cu w0.2: v1(37.3,132.05) 37.9,132.65 66.85,132.65 72.16,137.96 72.16,138.1 v1(72.23,138.03)
  Bottom w0.2: U15.22 71.9,136.86 71.9,137.7 v1(72.23,138.03) ; U16.2 37.44,131.91 v1(37.3,132.05)
SDO-16: length 52.8
  In4.Cu w0.2: v1(35.6,124.55) 37.65,122.5 65.8,122.5 69.73,126.43 72.48,126.43 72.83,126.08 72.83,118.08 v1(72.7,117.95)
  Bottom w0.2: U17.2 72.56,118.09 v1(72.7,117.95) ; U16.22 38.08,124.75 37.64,124.31 35.84,124.31 v1(35.6,124.55)
SDO-17: length 40.2
  In4.Cu w0.2: v1(72.23,125.83) 72.16,125.9 72.16,125.76 66.85,120.45 37.9,120.45 v1(37.3,119.85)
  Bottom w0.2: U17.22 71.9,124.66 71.9,125.5 v1(72.23,125.83) ; U18.2 37.44,119.71 v1(37.3,119.85)
SDO-18: length 52.8
  In4.Cu w0.2: v1(35.6,112.35) 37.6,110.35 65.75,110.35 69.73,114.33 72.48,114.33 72.83,113.98 72.83,105.98 v1(72.7,105.85)
  Bottom w0.2: U18.22 38.08,112.55 37.64,112.11 35.84,112.11 v1(35.6,112.35) ; U19.2 72.56,105.99 v1(72.7,105.85)
SDO-19: length 40.2
  In4.Cu w0.2: v1(37.3,107.75) 37.9,108.35 66.85,108.35 72.16,113.66 72.16,113.8 v1(72.23,113.73)
  Bottom w0.2: v1(72.23,113.73) 71.9,113.4 71.9,112.56 U19.22 ; U20.2 37.44,107.61 v1(37.3,107.75)
SDO-20: length 52.5
  In4.Cu w0.2: v1(72.7,93.75) 72.83,93.88 72.83,101.88 72.48,102.23 69.73,102.23 66.05,98.55 37.3,98.55 v1(35.6,100.25)
  Bottom w0.2: U21.2 72.56,93.89 v1(72.7,93.75) ; v1(35.6,100.25) 35.84,100.01 37.64,100.01 38.08,100.45 U20.22
SDO-21: length 40.2
  In4.Cu w0.2: v1(72.23,101.63) 72.16,101.7 72.16,101.56 66.85,96.25 37.9,96.25 v1(37.3,95.65)
  Bottom w0.2: U22.2 37.44,95.51 v1(37.3,95.65) ; v1(72.23,101.63) 71.9,101.3 71.9,100.46 U21.22
SDO-22: length 52.5
  In4.Cu w0.2: v1(72.7,81.65) 72.83,81.78 72.83,89.78 72.48,90.13 69.73,90.13 66.05,86.45 37.3,86.45 v1(35.6,88.15)
  Bottom w0.2: v1(72.7,81.65) 72.56,81.79 U23.2 ; U22.22 38.08,88.35 37.64,87.91 35.84,87.91 v1(35.6,88.15)
SDO-23: length 40.2
  In4.Cu w0.2: v1(37.3,83.55) 37.9,84.15 66.85,84.15 72.16,89.46 72.16,89.6 v1(72.23,89.53)
  Bottom w0.2: U23.22 71.9,88.36 71.9,89.2 v1(72.23,89.53) ; U24.2 37.44,83.41 v1(37.3,83.55)
SDO-24: length 52.5
  In4.Cu w0.2: v1(72.7,69.55) 72.83,69.68 72.83,77.68 72.48,78.03 69.73,78.03 66.05,74.35 37.3,74.35 v1(35.6,76.05)
  Bottom w0.2: U25.2 72.56,69.69 v1(72.7,69.55) ; v1(35.6,76.05) 35.84,75.81 37.64,75.81 38.08,76.25 U24.22
SDO-25: length 40.2
  In4.Cu w0.2: v1(72.23,77.43) 72.16,77.5 72.16,77.36 66.85,72.05 37.9,72.05 v1(37.3,71.45)
  Bottom w0.2: U25.22 71.9,76.26 71.9,77.1 v1(72.23,77.43) ; v1(37.3,71.45) 37.44,71.31 U26.2
SDO-26: length 52.6
  In4.Cu w0.2: v1(72.7,57.35) 72.83,57.48 72.83,65.48 72.48,65.83 69.73,65.83 66.05,62.15 37.4,62.15 v1(35.6,63.95)
  Bottom w0.2: U26.22 38.08,64.15 37.64,63.71 35.84,63.71 v1(35.6,63.95) ; U27.2 72.56,57.49 v1(72.7,57.35)
SDO-27: length 40.2
  In4.Cu w0.2: v1(37.3,59.25) 37.9,59.85 66.85,59.85 72.16,65.16 72.16,65.3 v1(72.23,65.23)
  Bottom w0.2: v1(72.23,65.23) 71.9,64.9 71.9,64.06 U27.22 ; U28.2 37.44,59.11 v1(37.3,59.25)
